# Altium PCB BW1098OBC.PcbDoc (part 1 of 3)
Units mm, origin at the board's own origin, x right, y up, seen from the top; angles counter-clockwise.
Board outline 100 x 46 mm, 4 copper layers (Top Copper, Layer 2, Layer 3, Bottom Layer), stack 1.577 mm thick; 138 components, 116 nets, 517 pads, 385 vias.
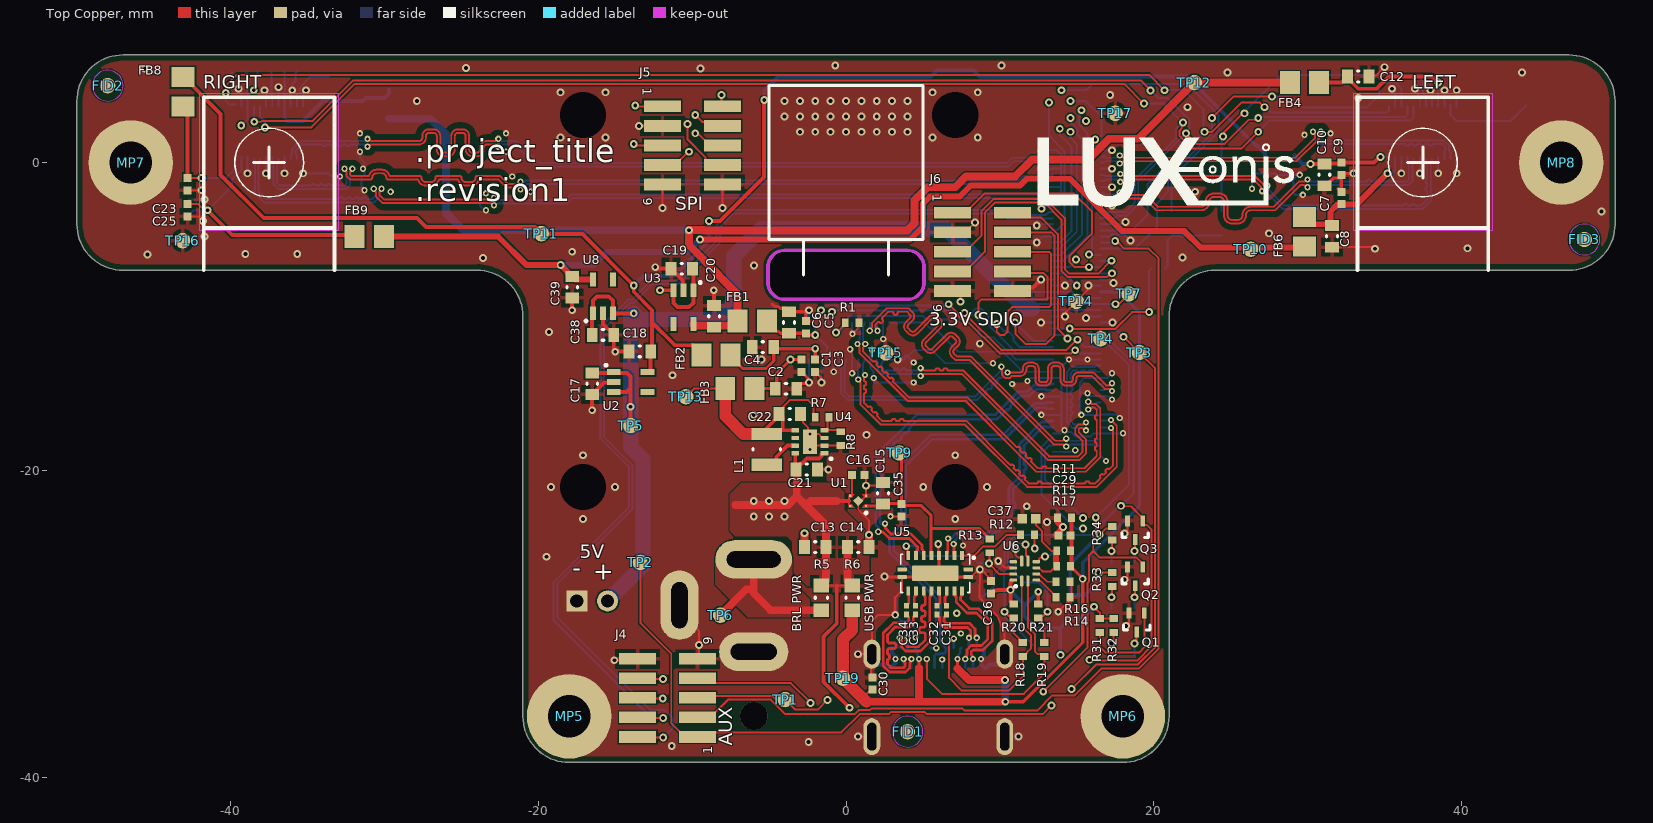
[diagram p0: Top Copper view]
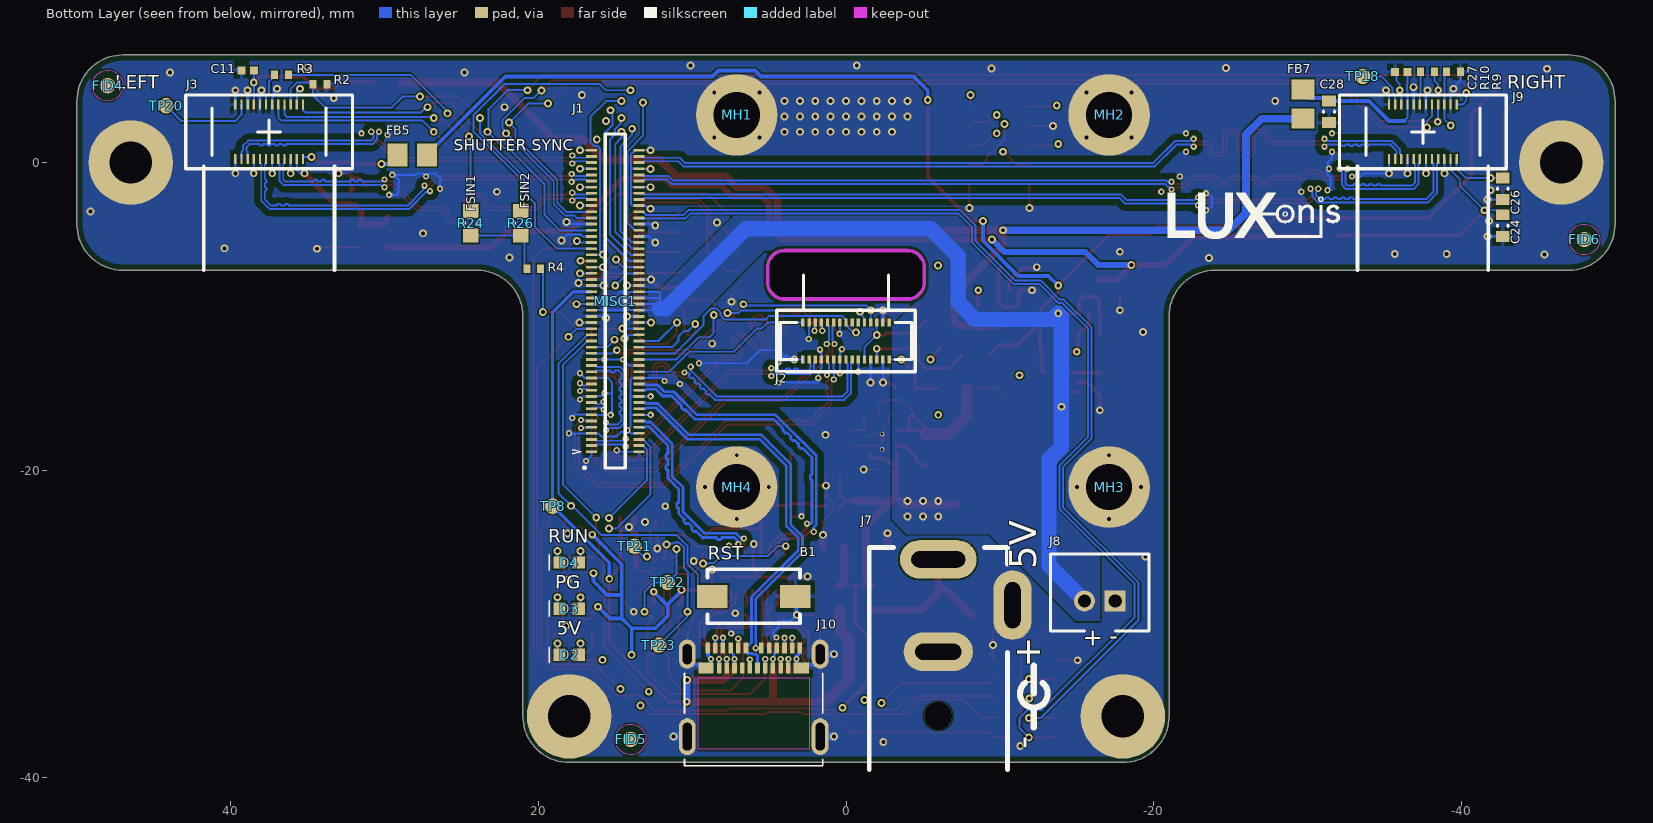
[diagram p1: Bottom Layer view, seen from below]
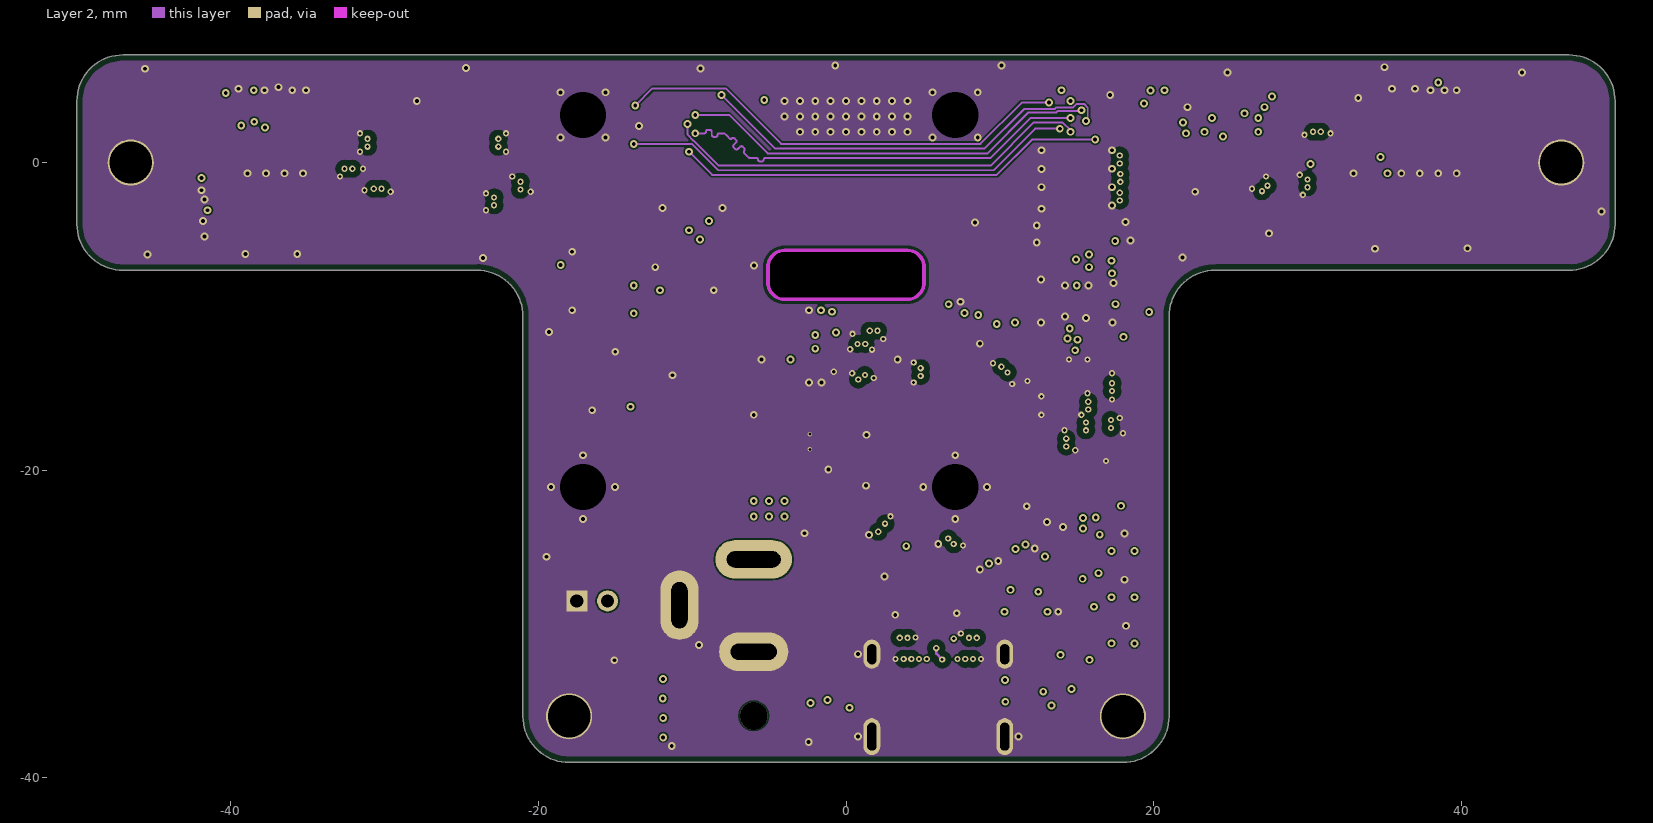
[diagram p2: Layer 2]
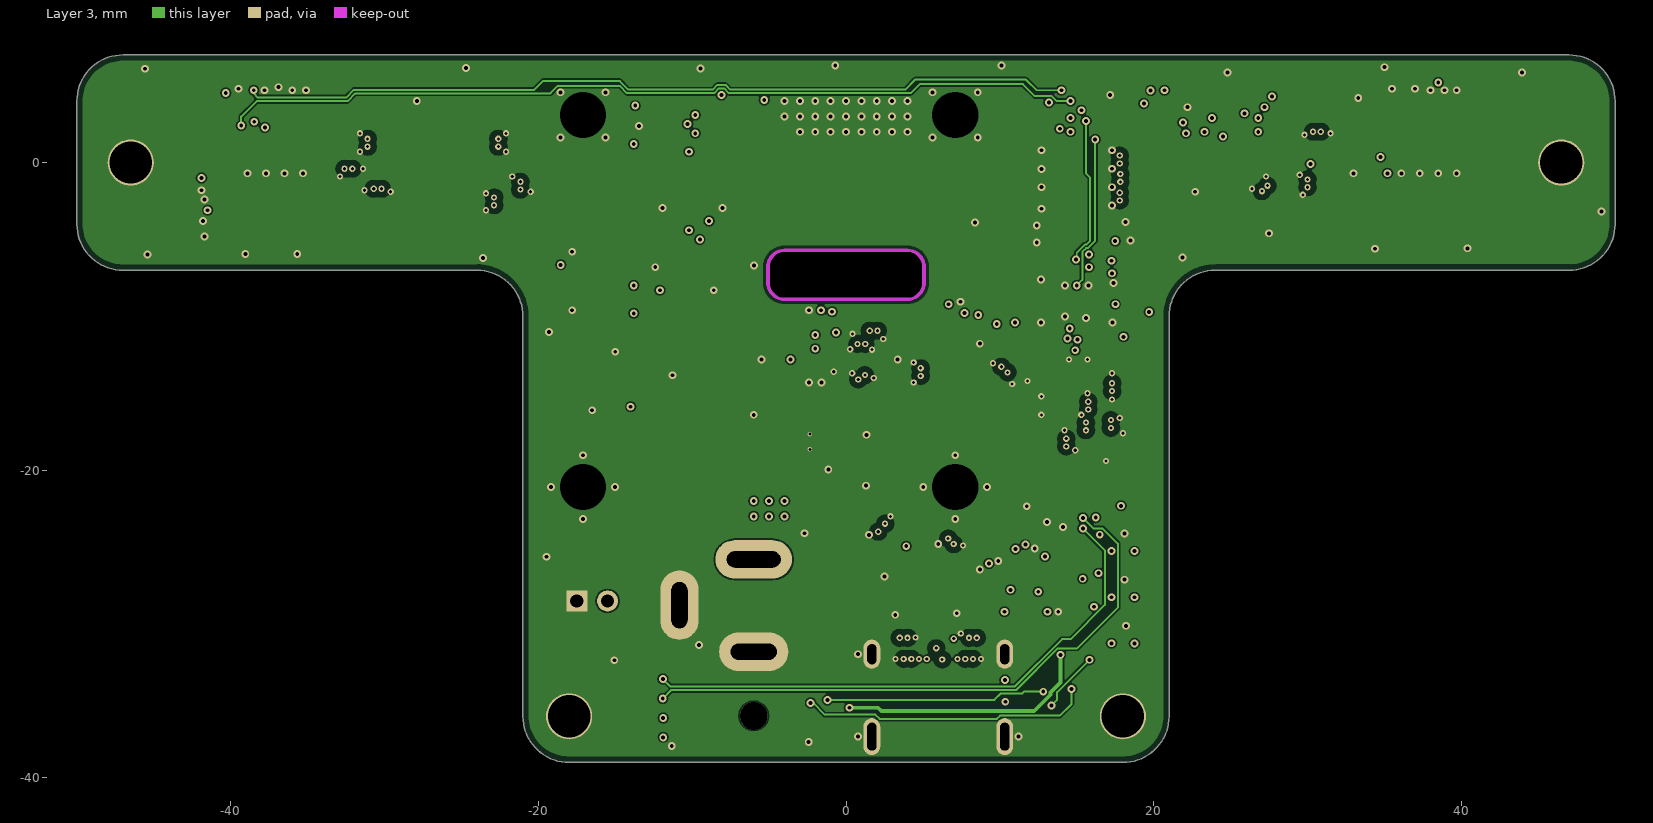
[diagram p3: Layer 3]

## Layer stack, top to bottom
Top Mask: solder mask 0.015, Solder Resist, Dk 3.8
Top Copper: signal copper 0.043
Dielectric 1: prepreg 0.21, PP-022, Dk 4.2
Layer 2: signal copper 0.0356
Core: core 1, Core-042, Dk 4.2
Layer 3: signal copper 0.0356
Dielectric 2: prepreg 0.21, PP-022, Dk 4.2
Bottom Layer: signal copper 0.043
Bottom Solder: solder mask 0.015, Solder Resist, Dk 3.8

## Board outline
-21,-10 ccw(c-24,-10) -24,-7 -47,-7 cw(c-47,-4) -50,-4 -50,4 cw(c-47,4) -47,7 47,7 cw(c47,4) 50,4 50,-4 cw(c47,-4) 47,-7 24,-7 ccw(c24,-10) 21,-10 21,-36 cw(c18,-36) 18,-39 -18,-39 cw(c-18,-36) -21,-36

## Design rules (kind name [scope] priority, off if disabled: settings)
AssemblyTestPointUsage [All] p1: valid=2
BoardOutlineClearance [All] p1: gap=0.381 ignorepadtopadclearanceinfootprint=FALSE
Clearance DIFF_PAIR_GND [InPolygon vs InAnyDifferentialPair] p1: gap=0.381 ignorepadtopadclearanceinfootprint=FALSE
Clearance [All] p2: gap=0.1 ignorepadtopadclearanceinfootprint=FALSE
DiffPairsRouting 90ohm [InDifferentialPairClass('USB3')] p1: maxlimit=0.254 minlimit=0.102 mostfreqgap=0.254 toplayer_maxgap=0.102 toplayer_prefgap=0.102 toplayer_minwidth=0.178 toplayer_maxwidth=0.18 toplayer_prefwidth=0.178 bottomlayer_maxgap=0.102 bottomlayer_prefgap=0.102 bottomlayer_minwidth=0.178 bottomlayer_maxwidth=0.18 bottomlayer_prefwidth=0.178 impedanceprofiledriven=TRUE impedanceprofileid={FC750AAC-3F37-4132-983F-4711E4A70A2F} impedanceprofilevalue=90.000000 maxuncoupledlength=12.7
DiffPairsRouting 100ohm [InDifferentialPairClass('100ohm')] p2: maxlimit=0.254 minlimit=0.102 mostfreqgap=0.254 toplayer_maxgap=0.102 toplayer_prefgap=0.102 toplayer_minwidth=0.123 toplayer_maxwidth=0.127 toplayer_prefwidth=0.127 bottomlayer_maxgap=0.102 bottomlayer_prefgap=0.102 bottomlayer_minwidth=0.123 bottomlayer_maxwidth=0.127 bottomlayer_prefwidth=0.127 impedanceprofiledriven=TRUE impedanceprofileid={57422758-ACB5-4D8C-851B-4E3B0F10B3A4} impedanceprofilevalue=100.000000 maxuncoupledlength=12.7
FabricationTestPointUsage [All] p1: valid=2 allowmultiple=FALSE
HoleSize [All] p1: absolutevalues=TRUE maxlimit=25.4 minlimit=0.203 maxpercent=80.000 minpercent=20.000
HoleToHoleClearance [All] p1: gap=0.254 allowstackedmicrovias=FALSE
MatchedLengths "Schematic Matched Net Lengths_3" [InNetClass('SDIO')] p1: tolerance=2.54 checknetsindiffpair=FALSE checkdiffpairvsdiffpair=TRUE checkxsignals=TRUE checkothers=TRUE
MatchedLengths "Schematic Matched Net Lengths_4" [InNetClass('SPI')] p2: tolerance=2.54 checknetsindiffpair=FALSE checkdiffpairvsdiffpair=TRUE checkxsignals=TRUE checkothers=TRUE
MatchedLengths General_Diff_Pair [InDifferentialPairClass('All Differential Pairs')] p3: tolerance=0.127 checknetsindiffpair=TRUE checkdiffpairvsdiffpair=FALSE checkxsignals=FALSE checkothers=FALSE
MatchedLengths "Schematic Matched Net Lengths_2" [InNetClass('MIPI_CAM_C')] p4: tolerance=0.127 checknetsindiffpair=FALSE checkdiffpairvsdiffpair=TRUE checkxsignals=TRUE checkothers=TRUE
MatchedLengths "Schematic Matched Net Lengths_1" [InNetClass('MIPI_CAM_B')] p5: tolerance=0.127 checknetsindiffpair=FALSE checkdiffpairvsdiffpair=TRUE checkxsignals=TRUE checkothers=TRUE
MatchedLengths "Schematic Matched Net Lengths" [InNetClass('MIPI_CAM_A')] p6: tolerance=0.127 checknetsindiffpair=FALSE checkdiffpairvsdiffpair=TRUE checkxsignals=TRUE checkothers=TRUE
MinimumSolderMaskSliver [All] p1: minsoldermaskwidth=0.076
PolygonConnect [All] p1: thpad.connectstyle=Direct thpad.reliefconductorwidth=0.254 thpad.reliefentries=4 thpad.polygonreliefangle="90 Angle" thpad.airgapwidth=0.254 smdpad.connectstyle=Relief smdpad.reliefconductorwidth=0.254 smdpad.reliefentries=4 smdpad.polygonreliefangle="90 Angle" smdpad.airgapwidth=0.254 via.connectstyle=Direct via.reliefconductorwidth=0.254 via.reliefentries=4 via.polygonreliefangle="90 Angle" via.airgapwidth=0.254
RoutingVias [All] p1: holewidth=0.254 width=0.508 viastyle="Through Hole" minholewidth=0.203 minwidth=0.406 maxholewidth=25.4 maxwidth=25.4
SilkToSilkClearance [All] p1: silktosilkclearance=0.025
SilkToSolderMaskClearance [InPadClass('All Pads')] p1: minsilkscreentomaskgap=0 clearancetoexposedcopper=FALSE
SolderMaskExpansion [All] p1: expansion=0.102 istentingtop=FALSE
UnRoutedNet [All] p1: checkbadconnections=TRUE
Width [All] p1: maxlimit=1 minlimit=0.127 preferedwidth=0.254
21 further rules are at their usual default settings.

## Classes and differential pairs
net class SPI: SPI_SCK SPI_SIO0 SPI_SIO1 SPI_SIO2 SPI_SIO3 SPI_SS_0 SPI_SS_1
net class SDIO: SD_HST0_CD SD_HST0_CLK SD_HST0_CMD SD_HST0_D1 SD_HST0_D2 SD_HST0_D3 SD_HST0_D4
differential pair class USB3: RXB RXC TXB TXB1 TXC TXC1 USB_D USB_RX USB_TX
differential pair class 100ohm: MIPI_RX2_C MIPI_RX2_D0 MIPI_RX2_D1 MIPI_RX3_C MIPI_RX3_D0 MIPI_RX3_D1 MIPI_RX4_C MIPI_RX4_D0 MIPI_RX4_D1 MIPI_RX5_D0 MIPI_RX5_D1
net class Power_trace: 1V2_L 1V2_R 1V05_IMX378 1V8_IMX378 1V8_L 1V8_R 2V8_IMX378 2V8_L 2V8_R NetJ7_1 VBUS VDD_5V
net class MIPI_CAM_C: MIPI_RX3_C_N MIPI_RX3_C_P MIPI_RX3_D0_N MIPI_RX3_D0_P MIPI_RX3_D1_N MIPI_RX3_D1_P
net class MIPI_CAM_B: MIPI_RX2_C_N MIPI_RX2_C_P MIPI_RX2_D0_N MIPI_RX2_D0_P MIPI_RX2_D1_N MIPI_RX2_D1_P
net class MIPI_CAM_A: MIPI_RX4_C_N MIPI_RX4_C_P MIPI_RX4_D0_N MIPI_RX4_D0_P MIPI_RX4_D1_N MIPI_RX4_D1_P MIPI_RX5_D0_N MIPI_RX5_D0_P MIPI_RX5_D1_N MIPI_RX5_D1_P
component class U_BW1098OBC_USB: C29 C30 C31 C32 C33 C34 C35 C36 C37 J10 R11 R12 R13 R14 R15 R16 R17 R18 R19 R20 R21 TP19 TP21 TP22 TP23 U5 U6
component class U_BW1098OBC_RIGHT_OV9282: C23 C24 C25 C26 C27 C28 FB7 FB8 FB9 J9 R9 R10 TP18
component class U_BW1098OBC_Power_Supply: C13 C14 C15 C16 C17 C18 C19 C20 C21 C22 C38 C39 J7 J8 L1 R5 R6 R7 R8 TP6 TP7 TP8 TP9 TP10 TP11 TP12 TP13 TP14 TP15 TP16 TP17 U1 U2 U3 U4 U8
component class U_BW1098OBC_LEFT_OV9282: C7 C8 C9 C10 C11 C12 FB4 FB5 FB6 J3 R2 R3 R4 R24 R26 TP20
component class U_BW1098OBC_IMX378: C1 C2 C3 C4 C5 C6 FB1 FB2 FB3 J2 R1
component class U_BW1098OBC_Connector: B1 D2 D3 D4 J1 J4 J5 J6 MH1 MH2 MH3 MH4 MISC1 Q1 Q2 Q3 R31 R32 R33 R34 TP1 TP2 TP3 TP4 TP5
component class BW1098OBC_TopLevel: =Pin FID1 FID2 FID3 FID4 FID5 FID6 MP5 MP6 MP7 MP8
differential pair USB_TX: +USB_TX_P -USB_TX_N
differential pair USB_RX: +USB_RX_P -USB_RX_N
differential pair USB_D: +USB_D_P -USB_D_N
differential pair TXC: +TXC_P -TXC_N
differential pair TXC1: +TXC1_P -TXC1_N
differential pair TXB: +TXB_P -TXB_N
differential pair TXB1: +TXB1_P -TXB1_N
differential pair RXC: +RXC_P -RXC_N
differential pair RXB: +RXB_P -RXB_N
differential pair MIPI_RX5_D1: +MIPI_RX5_D1_P -MIPI_RX5_D1_N
differential pair MIPI_RX5_D0: +MIPI_RX5_D0_P -MIPI_RX5_D0_N
differential pair MIPI_RX4_D1: +MIPI_RX4_D1_P -MIPI_RX4_D1_N
differential pair MIPI_RX4_D0: +MIPI_RX4_D0_P -MIPI_RX4_D0_N
differential pair MIPI_RX4_C: +MIPI_RX4_C_P -MIPI_RX4_C_N
differential pair MIPI_RX3_D1: +MIPI_RX3_D1_P -MIPI_RX3_D1_N
differential pair MIPI_RX3_D0: +MIPI_RX3_D0_P -MIPI_RX3_D0_N
differential pair MIPI_RX3_C: +MIPI_RX3_C_P -MIPI_RX3_C_N
differential pair MIPI_RX2_D1: +MIPI_RX2_D1_P -MIPI_RX2_D1_N
differential pair MIPI_RX2_D0: +MIPI_RX2_D0_P -MIPI_RX2_D0_N
differential pair MIPI_RX2_C: +MIPI_RX2_C_P -MIPI_RX2_C_N

## Components (designator, comment, footprint, x,y, rotation, side; value= is the part's Value field where it differs from the comment)
B1 "Off-Mom, 50mA" DTSM-32N-V 6,-28.2 r0 bottom
C1 "0.1uF 0402" CAPC0402(1005)70_L -2.9,-13.2 r90 top
C2 "10uF 0603" CAPC0603(1608)100_L -3.9,-14.7 r180 top
C3 "0.1uF 0402" CAPC0402(1005)70_L -2,-13.2 r90 top
C4 "10uF 0603" CAPC0603(1608)100_L -5.4,-12 r0 top
C5 "0.1uF 0402" CAPC0402(1005)70_L -2.6,-10.7 r270 top
C6 "10uF 0603" CAPC0603(1608)100_L -3.7,-10.4 r270 top
C7 "0.1uF 0402" CAPC0402(1005)70_L 32.2,-2.3 r270 top
C8 "10uF 0603" CAPC0603(1608)100_L 31.6,-4.8 r90 top
C9 "0.1uF 0402" CAPC0402(1005)70_L 32.2,-0.4 r90 top
C10 "10uF 0603" CAPC0603(1608)100_L 31.1,-0.8 r90 top
C11 "0.1uF 0402" CAPC0402(1005)70_L 38.9,6 r180 bottom
C12 "10uF 0603" CAPC0603(1608)100_L 33.3,5.6 r180 top
C13 "22uF 0603" CAPC0603(1608)100_L -2,-25 r0 top
C14 "22uF 0603" CAPC0603(1608)100_L 0.8,-25 r180 top
C15 "10uF 0603" CAPC0603(1608)100_L 2.4,-21.5 r270 top
C16 "1uF 0402" CAPC0402(1005)70_L 0.8,-20.3 r180 top
C17 "10uF 0603" CAPC0603(1608)100_L -16.5,-14.375 r90 top
C18 "10uF 0603" CAPC0603(1608)100_L -13.4,-12.275 r0 top
C19 "10uF 0603" CAPC0603(1608)100_L -10.675,-6.9 r0 top
C20 "10uF 0603" CAPC0603(1608)100_L -8.575,-10 r270 top
C21 "10uF 0603" CAPC0603(1608)100_L -2.55,-19.95 r180 top
C22 "22uF 0603" CAPC0603(1608)100_L -3.65,-16.35 r180 top
C23 "0.1uF 0402" CAPC0402(1005)70_L -42.8,-3.1 r90 top
C24 "10uF 0603" CAPC0603(1608)100_L -42.7,-4.1 r90 bottom
C25 "0.1uF 0402" CAPC0402(1005)70_L -42.8,-1.4 r90 top
C26 "10uF 0603" CAPC0603(1608)100_L -42.7,-1.7 r90 bottom
C27 "0.1uF 0402" CAPC0402(1005)70_L -36.1,5.9 r180 bottom
C28 "10uF 0603" CAPC0603(1608)100_L -31.4,3.3 r90 bottom
C29 "10uF 0402" CAPC0402(1005)70_L 14.2,-24.25 r0 top
C30 "10uF 0402" CAPC0402(1005)70_L 1.721,-33.871 r270 top
C31 "0.1uF 0201" CAPC0201(0603)33_L 6.525,-29.1 r90 top
C32 "0.1uF 0201" CAPC0201(0603)33_L 5.925,-29.1 r90 top
C33 "0.1uF 0201" CAPC0201(0603)33_L 4.525,-29.1 r90 top
C34 "0.1uF 0201" CAPC0201(0603)33_L 3.925,-29.1 r90 top
C35 "10uF 0402" CAPC0402(1005)70_L 3.6,-22.6 r90 top
C36 "10uF 0402" CAPC0402(1005)70_L 9.425,-27.6 r270 top
C37 "1uF 0402" CAPC0402(1005)70_N 11.899,-23.145 r0 top
C38 "10uF 0603" CAPC0603(1608)100_L -15.8,-11.2 r180 top
C39 "10uF 0603" CAPC0603(1608)100_L -17.8,-8.1 r90 top
D2 "RED 0603" SML_D1xx8W 18,-32 r180 bottom
D3 "ORANGE 0603" SML_D1xx8W 18,-29 r180 bottom
D4 "ORANGE 0603" SML_D1xx8W 18,-26 r180 bottom
FB1 "600R/100MHz" 2508056017Y2 -6.1,-10.3 r0 top
FB2 "600R/100MHz" 2508056017Y2 -8.45,-12.5 r0 top
FB3 "600R/100MHz" 2508056017Y2 -6.9,-14.7 r0 top
FB4 "600R/100MHz" 2508056017Y2 29.8,5.2 r0 top
FB5 "600R/100MHz" 2508056017Y2 28.2,0.5 r0 bottom
FB6 "600R/100MHz" 2508056017Y2 29.8,-4.5 r90 top
FB7 "600R/100MHz" 2508056017Y2 -29.7,3.8 r90 bottom
FB8 "600R/100MHz" 2508056017Y2 -43.1,4.6 r270 top
FB9 "600R/100MHz" 2508056017Y2 -31,-4.8 r180 top
FID1 "FIDUCIAL_ROUND_1MM" FIDUCIAL_ROUND_1MM 4,-37 r0 top
FID2 "FIDUCIAL_ROUND_1MM" FIDUCIAL_ROUND_1MM -48,5 r0 top
FID3 "FIDUCIAL_ROUND_1MM" FIDUCIAL_ROUND_1MM 48,-5 r0 top
FID4 "FIDUCIAL_ROUND_1MM" FIDUCIAL_ROUND_1MM 48,5 r180 bottom
FID5 "FIDUCIAL_ROUND_1MM" FIDUCIAL_ROUND_1MM 14,-37.5 r180 bottom
FID6 "FIDUCIAL_ROUND_1MM" FIDUCIAL_ROUND_1MM -48,-5 r180 bottom
J1 "DF40HC(3.0)-100DS-0.4V_BW1099G2 Receptacle" DF40HC-3.0-100DS-0.4V_minpad 15,-9 r0 bottom locked
J2 "24-5804-030-000-829+" A12N02A-201 0,-11.6 r180 bottom locked
J3 "BBR43-24KB533 for camera module TG161B-201" "TG161B-201 / AN01V32 - BOARD WRAP (7MM SETBACK) MINPADS" 37.5,2 r180 bottom locked
J4 "20021121-00010T1LF" 20021121-00010T1LF -11.6,-34.8 r90 top
J5 "20021121-00010T1LF" 20021121-00010T1LF -9.982,1.113 r270 top
J6 "20021121-00010T1LF" 20021121-00010T1LF 8.878,-5.807 r270 top
J7 "PJ-050AH or NEB21R" PJ-050AH/NEB21R_COMBO -6,-31.825 r180 bottom locked
J8 "B2B-PH-K-S(LF)(SN)" B2B-PH-K-S(LF)(SN) -16.5,-27.95 r180 bottom locked
J9 "BBR43-24KB533 for camera module TG161B-201" "TG161B-201 / AN01V32 - BOARD WRAP (7MM SETBACK) MINPADS" -37.5,2 r180 bottom locked
J10 "USB3.1 TYPEC 24P SMD RA" 105450-0101 6,-32.2 r180 bottom locked
L1 "1uH, 3.2A, 20%" DFE252012P-1R0M=P2 -5.15,-18.65 r90 top
MH1 "M2, 3MM steel spacer on M2.5 mounting pad" 9774030243R 7.1,3.1 r45 bottom locked
MH2 "M2, 3MM steel spacer on M2.5 mounting pad" 9774030243R -17.1,3.1 r45 bottom locked
MH3 "M2, 3MM steel spacer on M2.5 mounting pad" 9774030243R -17.1,-21.1 r180 bottom locked
MH4 "M2, 3MM steel spacer on M2.5 mounting pad" 9774030243R 7.1,-21.1 r180 bottom locked
MISC1 "Layout guide for BW1099" BW1099_Footprint 15,-9 r0 bottom
MP5 "MOUNTING_HOLE_M2.5" MOUNTING_HOLE_M2.5 -18,-36 r0 top
MP6 "MOUNTING_HOLE_M2.5" MOUNTING_HOLE_M2.5 18,-36 r0 top
MP7 "MOUNTING_HOLE_M2.5" MOUNTING_HOLE_M2.5 -46.5,0 r0 top
MP8 "MOUNTING_HOLE_M2.5" MOUNTING_HOLE_M2.5 46.5,0 r0 top
Q1 "RE1C002UNTCL" RE1C002UNTCL 18.9,-29.9 r180 top
Q2 "RE1C002UNTCL" RE1C002UNTCL 18.8,-26.9 r180 top
Q3 "RE1C002UNTCL" RE1C002UNTCL 18.8,-23.9 r180 top
R1 "10K 0402" RESC0402(1005)_L 0.4,-10.4 r0 top
R2 "10K 0402" RESC0402(1005)_L 34.2,5.1 r180 bottom
R3 "0R 0402" RESC0402(1005)_L 36.7,5.7 r180 bottom
R4 "10K 0402" RESC0402(1005)_L 20.3,-6.9 r0 bottom
R5 "0R 0603" RESC0603(1608)_N -1.6,-28.3 r90 top
R6 "0R 0603" RESC0603(1608)_N 0.4,-28.3 r90 top
R7 "53.6k 0402" RESC0402(1005)_L -1.55,-16.55 r180 top
R8 "39.2k 0402" RESC0402(1005)_L -0.35,-17.95 r90 top
R9 "10K 0402" RESC0402(1005)_L -39.5,5.9 r180 bottom
R10 "0R 0402" RESC0402(1005)_L -37.8,5.9 r180 bottom
R11 "10K 0402" RESC0402(1005)_L 14.2,-23.1 r0 top
R12 "10K 0402" RESC0402(1005)_L 11.8,-24.2 r0 top
R13 "10K 0402" RESC0402(1005)_L 9.343,-24.918 r90 top
R14 "10K 0402" RESC0402(1005)_L 14.1,-28.25 r0 top
R15 "1.8MR 0402" RESC0402(1005)_L 14.15,-25.25 r180 top
R16 "10K 0402" RESC0402(1005)_L 14.1,-27.25 r0 top
R17 "1.8MR 0402" RESC0402(1005)_L 14.15,-26.25 r180 top
R18 "10K 0402" RESC0402(1005)_L 11.5,-31.65 r270 top
R19 "10K 0402" RESC0402(1005)_L 12.9,-31.65 r270 top
R20 "10K 0402" RESC0402(1005)_L 10.9,-29.15 r90 top
R21 "10K 0402" RESC0402(1005)_L 12.5,-29.15 r90 top
R24 "0R 0603" RESC0603(1608)_N 24.4,-3.95 r90 bottom
R26 "0R 0603" RESC0603(1608)_N 21.15,-3.95 r90 bottom
R31 "1K 0402" RESC0402(1005)_L 16.5,-30.1 r90 top
R32 "1K 0402" RESC0402(1005)_L 17.4,-30.1 r90 top
R33 "1K 0402" RESC0402(1005)_L 17.3,-27.1 r90 top
R34 "1K 0402" RESC0402(1005)_L 17.3,-24.1 r90 top
TP1 "CurrentFootprint" TP100_200_NS -3.951,-34.911 r0 top
TP2 "CurrentFootprint" TP100_200_NS -13.372,-25.993 r0 top
TP3 "CurrentFootprint" TP100_200_NS 19.07,-12.351 r0 top
TP4 "CurrentFootprint" TP100_200_NS 16.548,-11.456 r0 top
TP5 "CurrentFootprint" TP100_200_NS -14,-17.1 r0 top
TP6 "CurrentFootprint" TP100_200_NS -8.161,-29.422 r0 top
TP7 "CurrentFootprint" TP100_200_NS 18.392,-8.543 r0 top
TP8 "CurrentFootprint" TP100_200_NS 19.069,-22.339 r180 bottom
TP9 "CurrentFootprint" TP100_200_NS 3.455,-18.877 r0 top
TP10 "CurrentFootprint" TP100_200_NS 26.308,-5.633 r0 top
TP11 "CurrentFootprint" TP100_200_NS -19.808,-4.623 r0 top
TP12 "CurrentFootprint" TP100_200_NS 22.65,5.2 r0 top
TP13 "CurrentFootprint" TP100_200_NS -10.41,-15.228 r0 top
TP14 "CurrentFootprint" TP100_200_NS 14.978,-9.027 r0 top
TP15 "CurrentFootprint" TP100_200_NS 2.594,-12.37 r0 top
TP16 "CurrentFootprint" TP100_200_NS -43.121,-5.075 r0 top
TP17 "CurrentFootprint" TP100_200_NS 17.5,3.2 r0 top
TP18 "CurrentFootprint" TP100_200_NS -33.6,5.6 r90 bottom
TP19 "CurrentFootprint" TP100_200_NS -0.2,-33.526 r0 top